# Altium PCB master.PcbDoc (part 3 of 5)
Units mm, origin at the board's own origin, x right, y up, seen from the top; angles counter-clockwise.
Board outline 160 x 120 mm, 4 copper layers (Top Copper, Signal Layer 1, Signal Layer 2, Bot Copper), stack 1.56 mm thick; 330 components, 331 nets, 1402 pads, 711 vias.
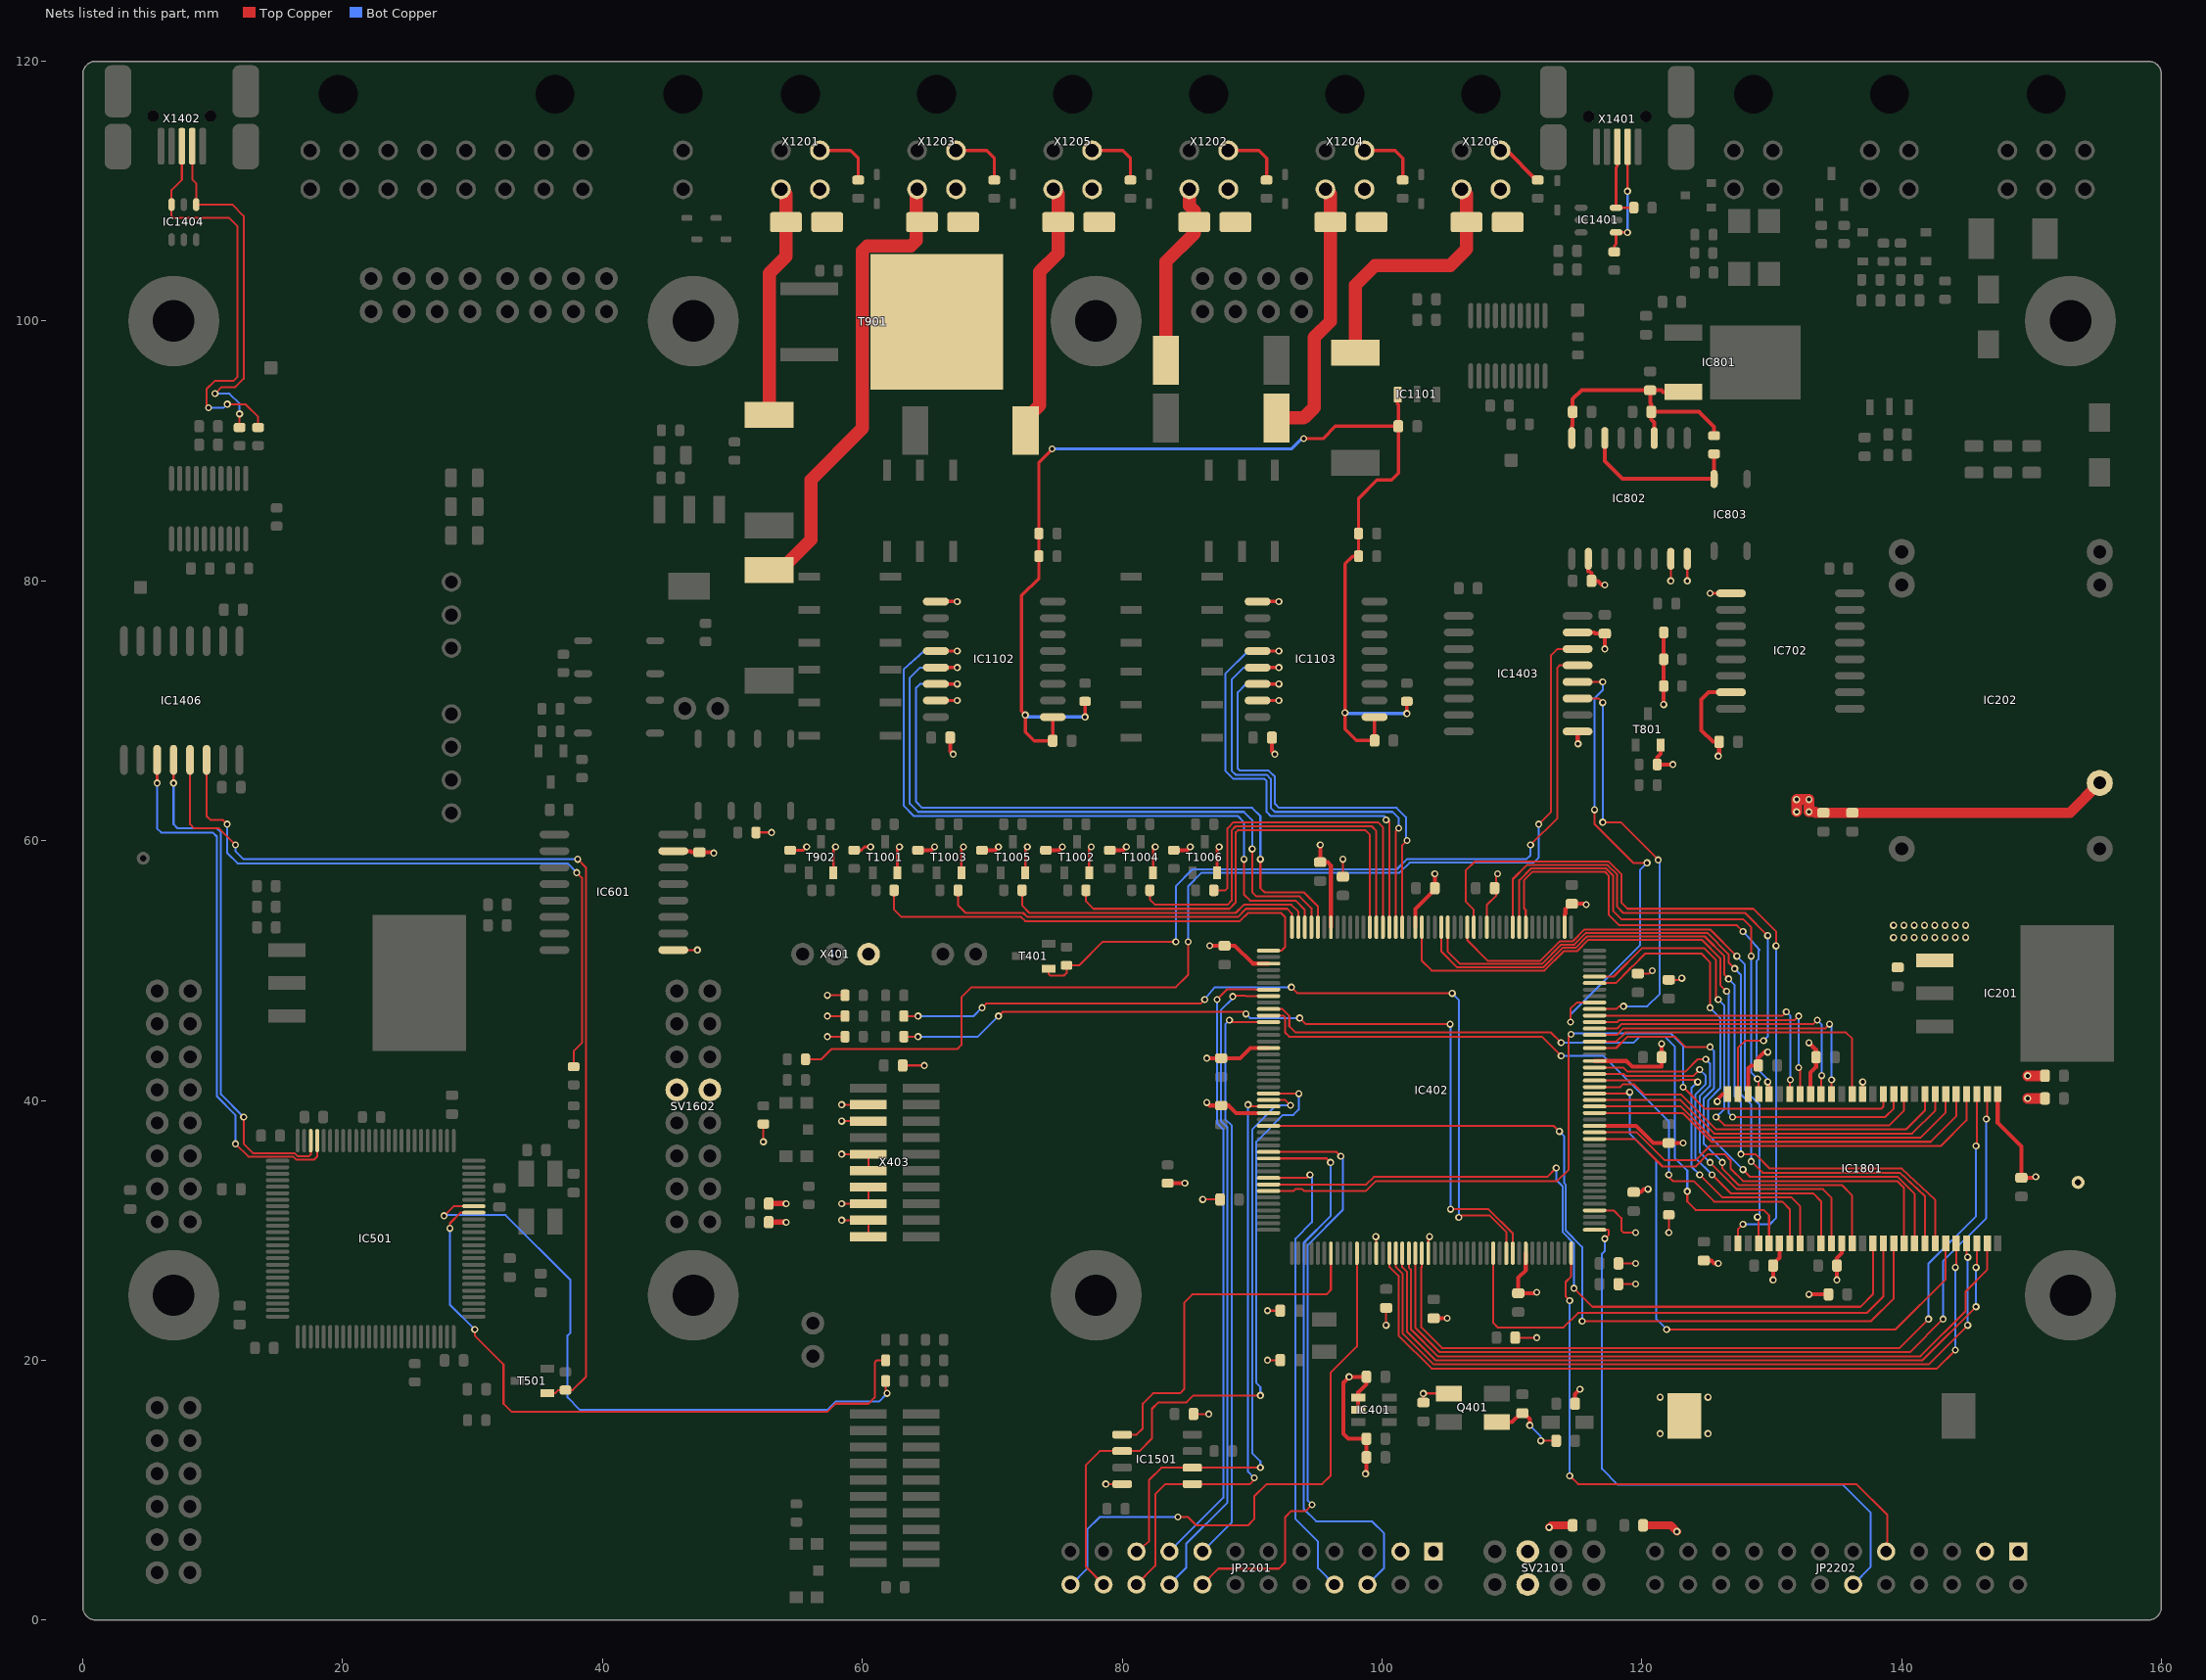
[diagram p5: the nets of this part, all layers, seen from the top]

## Via types
v1: diameter 0.55, hole 0.3, Top Copper to Bot Copper, tented both sides, 708 vias
v2: diameter 0.65, hole 0.4, Top Copper to Bot Copper, tented both sides, 3 vias

## Nets (pads, with @x,y where several pads share a name; then routed paths per layer and width w, separated by ;. In a path a pad name is that pad's centre, name@x,y a point inside that pad or via, vN(x,y) a via of type N, cw(c..) or ccw(c..) an arc to the next point about the centre after c; other vN are vias at no path point) (continued)
CAN_1_TRANS_STANDBY_CONTROL: IC402.165 JP2201.6 | length 44.1
  Top Copper w0.152: IC402.165@91.072,35.534 95.737,35.534 v1(96.044,35.228)
  Bot Copper w0.152: v1(96.044,35.228) 96.044,31.1 93.98,29.036 93.98,8.558 94.932,7.605 99.219,7.605 100.171,6.653 100.171,4.011 JP2201.6@98.89,2.73
CAN_1_TX: IC402.168 JP2201.8 | length 36.9
  Top Copper w0.152: IC402.168@91.072,34.034 94.215,34.034 v1(94.456,34.275)
  Bot Copper w0.152: v1(94.456,34.275) 94.615,34.116 94.615,30.624 93.345,29.354 93.345,7.764 95.091,6.018 95.091,3.989 JP2201.8@96.35,2.73
CAN_TRANS_0_EXT_SUPPLY: C803.2 C805.2 C806.2 IC801.3 IC802.11 IC802.16 R803.1 | length 21.7
  Top Copper w0.305: IC802.16@114.617,90.995 114.617,91.947 114.686,92.015 C806.2@114.686,93.013 114.686,93.985 115.37,94.669 C803.2@120.65,94.669 ; IC802.11@120.968,90.995 120.968,92.208 120.74,92.436 C805.2@120.74,93.013 ; IC801.3@123.2,94.543 121.648,94.543 121.522,94.669 C803.2@120.65,94.669 ; R803.1@125.571,91.173 125.571,91.853 124.411,93.013 C805.2@120.74,93.013 ; C803.2@120.65,94.669 120.65,93.679 120.74,93.589 C805.2@120.74,93.013
CAN_TRANS_0_STANDBY: IC802.14 IC803.4 R803.2 | length 12.7
  Top Copper w0.305: IC802.14@117.157,90.995 117.157,89.218 118.525,87.85 IC803.4@125.571,87.85 R803.2@125.571,89.773
CONTACTOR_0_COIL_POS: D1001.1 F1001.2 X1201.3 | length 18.1
  Top Copper w1.016: F1001.2@52.832,92.769 52.832,103.681 54.121,104.97 D1001.1@54.121,107.618 54.121,109.77 X1201.3@53.746,110.145
CONTACTOR_0_CONTROL: IC402.133 R1001.2 | length 36.1
  Top Copper w0.152: R1001.2@62.454,56.183 62.454,54.689 63.024,54.119 72.231,54.119 72.549,53.801 89.059,53.801 89.694,54.436 92.234,54.436 92.551,54.119 92.551,51.811 92.274,51.534 IC402.133@91.272,51.534
CONTACTOR_0_FEEDBACK: IC402.128 IC1102.14 | length 52.8
  Top Copper w0.152: v1(90.646,58.564) 90.646,56.341 90.964,56.024 93.98,56.024 95.072,54.931 IC402.128@95.072,53.334
  Top Copper w0.254: IC1102.14@65.64,72.058 IC1102.14@65.668,72.058 v1(67.31,72.058)
  Bot Copper w0.152: v1(67.31,72.058) 64.453,72.058 64.135,71.74 64.135,63.009 64.611,62.533 90.011,62.533 90.646,61.898 v1(90.646,58.564)
CONTACTOR_0_FEEDBACK_EXT: R1101.1 X1201.2 | length 4.9
  Top Copper w0.152: X1201.2@56.745,113.06 56.832,113.06 X1201.2@56.832,113.14
  Top Copper w0.254: X1201.2@56.745,113.14 56.832,113.14 59.089,113.14 59.69,112.539 R1101.1@59.69,111.007
CONTACTOR_1_COIL_POS: D1003.1 F1003.2 X1203.3 | length 36.6
  Top Copper w0.152: X1203.3@64.149,109.999 64.149,109.96 X1203.3@64.222,109.96
  Top Copper w1.016: F1003.2@52.832,80.831 53.707,80.831 56.039,83.163 56.039,87.774 60.008,91.743 60.008,105.414 60.377,105.784 63.73,105.784 64.149,106.202 X1203.3@64.149,109.96 ; X1203.3@64.149,109.999 64.149,110.066 X1203.3@64.222,110.14
CONTACTOR_1_CONTROL: IC402.132 R1007.2 | length 28.5
  Top Copper w0.152: R1007.2@67.375,56.183 67.375,55.006 67.945,54.436 72.39,54.436 72.707,54.119 88.9,54.119 89.535,54.754 92.71,54.754 93.072,54.391 IC402.132@93.072,53.534
CONTACTOR_1_FEEDBACK: IC402.129 IC1102.13 | length 54.1
  Top Copper w0.152: v1(90.011,59.358) 90.011,56.024 90.329,55.706 93.662,55.706 94.573,54.796 IC402.129@94.573,53.534
  Top Copper w0.254: IC1102.13@65.64,73.328 IC1102.13@65.668,73.328 v1(67.31,73.328)
  Bot Copper w0.152: v1(67.31,73.328) 64.453,73.328 63.659,72.534 63.659,62.85 64.294,62.215 89.376,62.215 90.011,61.58 v1(90.011,59.358)
CONTACTOR_1_FEEDBACK_EXT: R1102.1 X1203.2 | length 4.8
  Top Copper w0.152: X1203.2@67.223,113.06 X1203.2@67.223,113.14
  Top Copper w0.254: X1203.2@67.223,113.14 69.566,113.14 70.168,112.539 R1102.1@70.168,111.007
CONTACTOR_2_COIL_POS: D1005.1 F1005.2 X1205.3 | length 19.8
  Top Copper w1.016: F1005.2@72.576,91.567 72.576,92.442 73.648,93.514 73.648,103.795 75.076,105.224 D1005.1@75.076,107.618 75.076,109.77 X1205.3@74.701,110.145
CONTACTOR_2_CONTROL: IC402.131 R1013.2 | length 24.2
  Top Copper w0.152: R1013.2@72.296,56.183 72.296,55.006 72.866,54.436 88.741,54.436 89.376,55.071 93.027,55.071 93.573,54.526 IC402.131@93.573,53.534
CONTACTOR_2_FEEDBACK: IC402.130 IC1102.12 | length 55.4
  Top Copper w0.152: v1(89.376,58.564) 89.376,55.865 89.852,55.389 93.345,55.389 94.072,54.661 IC402.130@94.072,53.534
  Top Copper w0.254: IC1102.12@65.64,74.598 IC1102.12@65.668,74.598 v1(67.31,74.598)
  Bot Copper w0.152: v1(67.31,74.598) 64.77,74.598 63.182,73.169 63.182,62.691 63.976,61.898 88.9,61.898 89.376,61.421 v1(89.376,58.564)
CONTACTOR_2_FEEDBACK_EXT: R1103.1 X1205.2 | length 4.8
  Top Copper w0.152: X1205.2@77.7,113.06 X1205.2@77.7,113.14
  Top Copper w0.254: X1205.2@77.7,113.14 80.044,113.14 80.645,112.539 R1103.1@80.645,111.007
CONTACTOR_3_COIL_POS: D1002.1 F1002.2 X1202.3 | length 14.2
  Top Copper w1.016: F1002.2@83.38,96.981 83.38,104.567 85.554,106.741 D1002.1@85.554,107.618 85.554,108.494 85.179,108.869 X1202.3@85.179,110.145
CONTACTOR_3_CONTROL: IC402.120 R1002.2 | length 35.9
  Top Copper w0.152: R1002.2@77.217,56.183 77.217,55.324 77.787,54.754 88.265,54.754 88.741,55.23 88.741,60.628 88.9,60.786 98.742,60.786 99.072,60.456 IC402.120@99.072,53.334
CONTACTOR_3_FEEDBACK: IC402.115 IC1103.14 | length 35.5
  Top Copper w0.152: IC402.115@101.572,53.334 101.572,59.648 v1(101.929,60.004)
  Top Copper w0.254: IC1103.14@90.405,72.058 IC1103.14@90.433,72.058 v1(92.075,72.058)
  Bot Copper w0.152: v1(92.075,72.058) 89.535,72.058 88.9,71.423 88.9,65.549 89.059,65.39 91.281,65.39 91.757,64.914 91.757,62.85 92.075,62.533 101.124,62.533 101.852,61.804 101.852,59.927 v1(101.929,60.004)
CONTACTOR_3_FEEDBACK_EXT: R1104.2 X1202.2 | length 4.8
  Top Copper w0.152: X1202.2@88.178,113.06 X1202.2@88.178,113.14
  Top Copper w0.254: X1202.2@88.178,113.14 90.521,113.14 91.123,112.539 R1104.2@91.123,111.007
CONTACTOR_4_COIL_POS: D1004.1 F1004.2 X1204.3 | length 20.7
  Top Copper w1.016: F1004.2@91.88,92.536 93.98,92.536 94.774,93.33 94.774,98.728 96.031,99.985 D1004.1@96.031,107.618 96.031,109.77 X1204.3@95.656,110.145
CONTACTOR_4_CONTROL: IC402.119 R1008.2 | length 31.5
  Top Copper w0.152: R1008.2@82.139,56.183 82.139,55.483 82.55,55.071 88.106,55.071 88.424,55.389 88.424,60.786 88.741,61.104 99.219,61.104 99.573,60.75 IC402.119@99.573,53.334
CONTACTOR_4_FEEDBACK: IC402.116 IC1103.13 | length 36.7
  Top Copper w0.152: IC402.116@101.072,53.534 101.072,60.735 v1(101.297,60.96)
  Top Copper w0.254: IC1103.13@90.405,73.328 IC1103.13@90.433,73.328 v1(92.075,73.328)
  Bot Copper w0.152: v1(92.075,73.328) 89.376,73.328 88.424,72.375 88.424,65.39 88.741,65.073 91.123,65.073 91.44,64.755 91.44,62.533 91.757,62.215 100.806,62.215 101.297,61.724 v1(101.297,60.96)
CONTACTOR_4_FEEDBACK_EXT: R1105.2 X1204.2 | length 4.9
  Top Copper w0.152: X1204.2@98.655,113.06 98.742,113.06 X1204.2@98.742,113.14
  Top Copper w0.254: X1204.2@98.655,113.14 98.742,113.14 100.999,113.14 101.6,112.539 R1105.2@101.6,111.007
CONTACTOR_5_COIL_POS: D1006.1 F1006.2 X1206.3 | length 20.5
  Top Copper w0.254: F1006.2@97.155,97.458 97.826,97.458 F1006.2@97.949,97.58
  Top Copper w1.016: F1006.2@97.949,97.58 97.949,102.775 99.458,104.284 105.251,104.284 106.509,105.541 D1006.1@106.509,107.618 106.509,109.77 X1206.3@106.134,110.145
CONTACTOR_5_CONTROL: IC402.118 R1014.2 | length 25.6
  Top Copper w0.152: R1014.2@87.21,56.183 87.947,56.183 88.106,56.341 88.106,60.945 88.582,61.421 99.695,61.421 100.072,61.044 IC402.118@100.072,53.334
CONTACTOR_5_FEEDBACK: IC402.117 IC1103.12 | length 37.7
  Top Copper w0.152: v1(100.33,61.595) 100.474,61.595 100.573,61.496 IC402.117@100.573,53.534
  Top Copper w0.254: IC1103.12@90.405,74.598 IC1103.12@90.433,74.598 v1(92.075,74.598)
  Bot Copper w0.152: v1(92.075,74.598) 89.694,74.598 87.947,72.851 87.947,65.39 88.582,64.755 90.964,64.755 91.123,64.596 91.123,62.215 91.44,61.898 100.171,61.898 100.33,61.739 v1(100.33,61.595)
CONTACTOR_5_FEEDBACK_EXT: R1106.2 X1206.2 | length 3.8
  Top Copper w0.305: X1206.2@109.131,113.142 109.614,113.142 111.898,110.858 R1106.2@111.998,110.858
CONTACTOR_6_CONTROL: IC402.139 JP2201.17 | length 48.7
  Top Copper w0.152: v1(87.312,47.769) 88.104,48.56 90.244,48.56 90.271,48.534 IC402.139@91.272,48.534
  Bot Copper w0.152: JP2201.17@83.65,5.27 87.789,9.409 87.789,37.768 87.312,38.244 v1(87.312,47.769)
CONTACTOR_6_FEEDBACK: IC402.140 JP2201.18 | length 50.5
  Top Copper w0.152: v1(88.519,48.006) 88.565,48.052 89.511,48.052 89.529,48.034 IC402.140@91.272,48.034
  Bot Copper w0.152: JP2201.18@83.65,2.73 84.931,4.011 84.931,5.859 88.106,9.034 88.106,37.926 87.63,38.403 87.63,46.975 88.519,47.864 v1(88.519,48.006)
CONTACTOR_7_CONTROL: IC402.144 JP2201.15 | length 45
  Top Copper w0.152: v1(88.265,46.181) 88.413,46.034 IC402.144@91.072,46.034
  Bot Copper w0.152: JP2201.15@86.19,5.27 88.424,7.504 88.424,38.085 87.947,38.561 87.947,45.864 v1(88.265,46.181)
CONTACTOR_7_FEEDBACK: IC402.164 JP2201.16 | length 47.1
  Top Copper w0.152: JP2201.16@86.19,2.73 87.414,3.954 92.075,3.954 92.551,4.43 92.551,7.923 93.027,8.399 94.139,8.399 v1(94.615,8.875) ; IC402.164@91.072,36.034 96.508,36.034 v1(96.837,35.704)
  Bot Copper w0.152: v1(94.615,8.875) 94.297,9.193 94.297,28.878 96.996,31.576 96.996,35.545 v1(96.837,35.704)
CONTACTOR_8_CONTROL: IC402.44 JP2202.9 | length 45.8
  Top Copper w0.152: v1(114.459,11.098) 115.094,10.463 136.525,10.463 138.906,8.081 138.906,5.366 JP2202.9@138.812,5.272 JP2202.9@138.81,5.27 ; v1(114.459,24.591) 114.141,24.909 114.141,26.02 114.573,26.451 IC402.44@114.573,28.034
  Bot Copper w0.152: v1(114.459,11.098) v1(114.459,24.591)
CONTACTOR_8_FEEDBACK: IC402.45 JP2202.12 | length 47.7
  Top Copper w0.152: IC402.45@116.573,30.034 117.43,30.034 117.475,29.989 117.475,29.671 v1(117.157,29.354)
  Bot Copper w0.152: v1(117.157,29.354) 117.157,28.409 116.935,28.187 116.935,11.629 118.165,10.399 135.477,10.399 137.636,8.24 137.636,4.096 JP2202.12@136.272,2.732 JP2202.12@136.27,2.73
CONTACTOR_FEEDBACK_SUPPLY_EXT: C1103.1 C1104.1 C1105.1 IC1101.1 IC1102.1 IC1103.1 R1107.2 R1108.2 R1109.2 R1110.2 R1111.2 R1112.2 | length 98.7
  Top Copper w0.254: v1(74.612,90.155) 73.595,89.138 R1109.2@73.595,83.646 R1111.2@73.595,81.9 73.595,80.199 72.263,78.867 72.263,69.962 v1(72.549,69.676) 72.549,68.37 73.228,67.691 C1104.1@74.662,67.691 74.662,69.111 74.668,69.116 IC1102.1@74.668,69.518 ; R1107.2@77.096,70.573 77.153,70.573 v1(77.153,69.518) ; v1(93.98,90.949) 95.47,90.949 96.422,91.901 C1103.1@101.261,91.901 ; v1(97.155,69.85) 97.155,68.58 98.027,67.708 C1105.1@99.433,67.708 IC1103.1@99.433,69.518 ; v1@97.155,69.977 97.155,81.305 97.75,81.9 R1112.2@98.201,81.9 R1110.2@98.201,83.646 98.201,86.33 99.629,87.757 100.736,87.757 101.261,88.282 C1103.1@101.261,91.901 ; IC1101.1@101.211,94.329 101.211,93.627 101.261,93.577 C1103.1@101.261,91.901 ; v1(101.917,69.787) R1108.2@101.917,70.723
  Bot Copper w0.254: v1(72.549,69.676) 72.707,69.518 v1(77.153,69.518) ; v1(74.612,90.155) 93.027,90.155 93.821,90.949 v1(93.98,90.949) ; v1(97.155,69.85) 97.218,69.787 v1(101.917,69.787)
CONTACTORS_COMMON_NEG: D1001.2 D1002.2 D1003.2 D1004.2 D1005.2 D1006.2 T901.4 X1201.4 X1202.4 X1203.4 X1204.4 X1205.4 X1206.4
DATA_STORAGE_SPI_EEPROM_CS: IC402.7 IC1501.1 | length 28.4
  Top Copper w0.152: IC1501.1@79.969,14.273 IC1501.1@80.009,14.273 81.121,14.273 81.597,14.749 81.597,16.654 82.391,17.448 84.455,17.448 84.772,17.765 84.772,24.433 85.407,25.068 95.726,25.068 96.072,25.414 IC402.7@96.072,28.034
DATA_STORAGE_SPI_Memory_NSS: IC402.11 JP2201.24 | length 44.6
  Top Copper w0.152: v1(84.296,7.923) 85.09,7.923 85.725,7.288 89.694,7.288 90.17,7.764 90.17,9.51 91.123,10.463 95.409,10.463 96.044,11.098 96.044,19.035 98.072,21.064 IC402.11@98.072,28.034
  Bot Copper w0.152: JP2201.24@76.03,2.73 76.087,2.73 77.311,3.954 77.311,6.97 78.264,7.923 v1(84.296,7.923)
DATA_STORAGE_SPI_MISO: IC402.155 IC1501.2 JP2201.22 | length 54.5
  Top Copper w0.152: JP2201.22@78.57,2.729 77.216,4.083 77.216,11.938 78.281,13.003 IC1501.2@80.009,13.003 81.329,13.003 82.296,13.97 82.296,16.256 82.804,16.764 84.963,16.764 85.488,17.289 v1(90.646,17.289) ; IC402.155@91.072,40.534 93.578,40.534 v1(93.599,40.513)
  Bot Copper w0.152: v1(90.646,17.289) 90.646,17.924 90.329,18.241 90.329,36.815 92.392,38.879 93.186,38.879 93.599,39.292 v1(93.599,40.513)
DATA_STORAGE_SPI_MOSI: IC402.157 IC1501.5 JP2201.20 | length 46.1
  Top Copper w0.152: JP2201.20@81.11,2.73 82.55,4.17 82.55,9.669 83.344,10.463 IC1501.5@85.409,10.463 89.852,10.463 90.17,10.78 v1(90.17,10.939) ; v1(89.694,39.673) 89.832,39.534 IC402.157@91.072,39.534
  Bot Copper w0.152: v1(89.694,39.673) 89.694,11.415 v1(90.17,10.939)
DATA_STORAGE_SPI_SCK: IC402.156 IC1501.6 JP2201.19 | length 46.8
  Top Copper w0.152: JP2201.19@81.11,5.27 82.074,6.075 82.074,10.78 83.026,11.733 IC1501.6@85.409,11.733 v1(90.646,11.733) ; IC402.156@91.272,40.034 92.554,40.034 v1(92.964,39.624)
  Bot Copper w0.152: v1(90.646,11.733) 90.646,12.209 90.011,12.844 90.011,37.768 91.868,39.624 v1(92.964,39.624)
DEBUG_LED_0_MCU_0: IC402.35 LED402.2 | length 64.7
  Top Copper w0.152: LED402.2@63.25,44.911 v1(64.294,44.911) ; v1(70.485,46.499) 70.802,46.816 89.376,46.816 v1(89.535,46.658) ; v1(93.662,46.34) 94.139,45.864 v1(105.251,45.864) ; v1(105.283,31.623) 108.204,31.623 110.072,29.755 IC402.35@110.072,28.034
  Bot Copper w0.152: v1(64.294,44.911) 68.897,44.911 v1(70.485,46.499) ; v1(89.535,46.658) 89.852,46.34 v1(93.662,46.34) ; v1(105.251,45.864) 105.283,45.832 v1(105.283,31.623)
DEBUG_LED_0_MCU_1: IC501.18 LED502.2 | length 50.3
  Top Copper w0.152: v1(27.813,31.115) 28.552,31.854 IC501.18@30.293,31.854 ; LED502.2@61.8,18.4 61.8,17.56 v1(61.912,17.448)
  Bot Copper w0.152: v1(27.813,31.115) 27.876,31.178 32.535,31.178 37.543,26.17 37.543,22.129 37.306,21.893 37.306,17.13 38.259,16.178 57.309,16.178 57.944,16.813 61.277,16.813 v1(61.912,17.448)
DEBUG_LED_1_MCU_0: IC402.34 LED401.2 | length 66.9
  Top Copper w0.152: LED401.2@63.25,46.499 v1(64.294,46.499) ; v1(69.215,47.134) 69.532,47.451 86.042,47.451 v1(86.36,47.769) ; v1(93.027,48.721) 93.504,48.245 v1(105.41,48.245) ; v1(105.918,30.988) 106.091,31.161 108.285,31.161 109.573,29.873 IC402.34@109.573,28.034
  Bot Copper w0.152: v1(64.294,46.499) 68.58,46.499 v1(69.215,47.134) ; v1(86.36,47.769) 87.154,48.721 v1(93.027,48.721) ; v1(105.41,48.245) 105.918,47.737 v1(105.918,30.988)
DEBUG_LED_1_MCU_1: IC501.17 LED501.2 | length 50.8
  Top Copper w0.152: v1(28.258,30.148) 28.258,30.543 29.068,31.354 IC501.17@30.293,31.354 ; v1(30.162,22.369) 30.162,21.893 32.385,19.67 32.385,16.654 33.02,16.019 57.309,16.019 57.944,16.654 60.484,16.654 60.96,17.13 60.96,19.829 61.119,19.988 LED501.2@61.75,19.988
  Bot Copper w0.152: v1(28.258,30.148) 28.258,24.274 v1(30.162,22.369)
DM: IC1401.4 R1401.2 X1401.2 | length 9
  Top Copper w0.203: R1401.2@117.885,105.327 117.885,105.778 118.031,105.925 IC1401.4@118.031,106.826 118.901,106.826 v1(118.904,106.824) ; v1(118.904,109.999) 118.92,110.015 X1401.2@118.92,113.423
  Bot Copper w0.203: v1(118.904,106.824) v1(118.904,109.999)
DM1: IC1404.4 R1405.2 X1402.2 | length 27.9
  Top Copper w0.152: X1402.2@8.425,113.464 8.425,110.904 8.729,110.6 IC1404.4@8.729,108.968 11.509,108.968 12.383,108.094 12.383,95.553 11.747,94.918 10.691,94.918 v1(10.185,94.412) ; R1405.2@12.065,91.808 v1(12.065,92.854)
  Bot Copper w0.152: v1(10.185,94.412) 11.286,94.412 12.065,93.633 v1(12.065,92.854)
DP: IC1401.6 R1402.2 X1401.3 | length 6.1
  Top Copper w0.203: X1401.3@118.12,113.423 118.12,111.921 118.031,111.833 IC1401.6@118.031,108.726 118.633,108.726 118.635,108.729 R1402.2@119.395,108.729
DP1: IC1404.6 R1406.2 X1402.3 | length 32.1
  Top Copper w0.152: X1402.3@7.625,113.464 7.625,110.876 6.829,110.08 6.829,108.818 6.829,108.091 6.985,107.935 11.271,107.935 11.906,107.3 11.906,95.711 11.589,95.394 10.16,95.394 9.525,94.759 9.525,93.489 v1(9.684,93.33) ; v1(11.125,93.599) 12.508,93.599 13.494,92.613 R1406.2@13.494,91.808
  Bot Copper w0.152: v1(9.684,93.33) 10.856,93.33 v1(11.125,93.599)
FMC_MCU_0_RAM_A0: IC402.16 IC1801.23 | length 59.2
  Top Copper w0.152: IC402.16@100.573,28.034 100.573,27.206 101.282,26.496 101.282,21.893 103.822,19.353 142.716,19.353 v1(144.145,20.781) ; v1(144.145,27.131) 144.201,27.188 IC1801.23@144.201,29.001
  Bot Copper w0.152: v1(144.145,20.781) v1(144.145,27.131)
FMC_MCU_0_RAM_A1: IC402.17 IC1801.24 | length 58.3
  Top Copper w0.152: IC402.17@101.072,28.034 101.072,27.183 101.6,26.655 101.6,22.051 103.981,19.67 142.081,19.67 v1(145.097,22.686) ; IC1801.24@145.001,29.001 145.001,28.021 v1(145.097,27.925)
  Bot Copper w0.152: v1(145.097,22.686) v1(145.097,27.925)
FMC_MCU_0_RAM_A2: IC402.18 IC1801.25 | length 57.3
  Top Copper w0.152: IC402.18@101.573,28.034 101.573,27.159 101.917,26.814 101.917,22.21 104.14,19.988 141.605,19.988 v1(145.732,24.115) ; v1(145.732,27.131) 145.801,27.2 IC1801.25@145.801,29.001
  Bot Copper w0.152: v1(145.732,24.115) v1(145.732,27.131)
FMC_MCU_0_RAM_A3: IC402.19 IC1801.26 | length 56.6
  Top Copper w0.152: IC402.19@102.072,28.034 102.072,27.135 102.235,26.973 102.235,22.369 104.299,20.305 141.446,20.305 144.939,23.798 144.939,25.305 146.601,26.967 IC1801.26@146.601,29.001
FMC_MCU_0_RAM_A4: IC402.20 IC1801.29 | length 66.7
  Top Copper w0.152: IC402.20@102.573,28.034 102.573,22.507 104.457,20.623 140.653,20.623 v1(143.192,23.163) ; v1(146.526,38.561) 146.601,38.636 IC1801.29@146.601,40.501
  Bot Copper w0.152: v1(143.192,23.163) 143.192,27.608 146.526,30.941 v1(146.526,38.561)
FMC_MCU_0_RAM_A5: IC402.21 IC1801.30 | length 65
  Top Copper w0.152: IC402.21@103.072,28.034 103.072,27.175 103.029,27.131 103.029,22.528 104.616,20.94 139.859,20.94 v1(142.081,23.163) ; v1(145.732,36.498) 145.801,36.566 IC1801.30@145.801,40.501
  Bot Copper w0.152: v1(142.081,23.163) 142.081,27.449 145.732,31.1 v1(145.732,36.498)
FMC_MCU_0_RAM_A6: IC402.60 IC1801.31 | length 32.6
  Top Copper w0.152: IC402.60@116.573,37.534 119.614,37.534 121.761,35.386 124.142,35.386 125.254,36.498 143.034,36.498 145.001,38.465 IC1801.31@145.001,40.501
FMC_MCU_0_RAM_A7: IC402.63 IC1801.32 | length 30.9
  Top Copper w0.152: IC402.63@116.573,39.034 123.152,39.034 125.371,36.815 142.24,36.815 144.201,38.776 IC1801.32@144.201,40.314
FMC_MCU_0_RAM_A8: IC402.64 IC1801.33 | length 29.9
  Top Copper w0.152: IC402.64@116.573,39.534 123.011,39.534 125.412,37.133 141.446,37.133 143.401,39.088 IC1801.33@143.401,40.314
FMC_MCU_0_RAM_A9: IC402.65 IC1801.34 | length 28.9
  Top Copper w0.152: IC402.65@116.573,40.034 122.988,40.034 125.571,37.45 140.811,37.45 142.601,39.24 IC1801.34@142.601,40.314
FMC_MCU_0_RAM_A10: IC402.66 IC1801.22 | length 48
  Top Copper w0.152: IC402.66@116.573,40.534 118.971,40.534 v1(119.062,40.625) ; v1(121.92,22.369) 139.541,22.369 143.401,26.229 IC1801.22@143.401,29.189
  Bot Copper w0.152: v1(119.062,40.625) 119.062,37.45 121.126,35.386 121.126,23.163 v1(121.92,22.369)
FMC_MCU_0_RAM_A11: IC402.67 IC1801.35 | length 28.5
  Top Copper w0.152: IC402.67@116.573,41.034 118.36,41.034 118.586,41.26 119.38,41.26 120.174,40.466 123.031,40.466 125.73,37.768 140.335,37.768 141.801,39.234 IC1801.35@141.801,40.314
FMC_MCU_0_RAM_BA0: IC402.108 IC1801.20 | length 60.3
  Top Copper w0.152: IC402.108@105.072,53.534 105.072,51.44 106.013,50.499 112.302,50.499 113.804,52.002 114.813,52.002 115.715,52.903 125.041,52.903 126.682,51.261 126.682,50.626 v1(127.159,50.15) ; v1(128.429,35.307) 129.302,34.434 139.859,34.434 141.801,32.65 IC1801.20@141.801,29.189
  Bot Copper w0.152: v1(127.159,50.15) 127.635,49.674 127.635,40.466 128.429,39.673 v1(128.429,35.307)
FMC_MCU_0_RAM_BA1: IC402.109 IC1801.21 | length 61.3
  Top Copper w0.152: IC402.109@104.573,53.534 104.573,51.464 105.791,50.245 112.407,50.245 113.91,51.748 114.919,51.748 115.795,52.624 124.843,52.624 126.365,51.103 126.365,49.674 v1(126.682,49.356) ; v1(127.635,35.863) 128.746,35.863 129.857,34.751 140.017,34.751 142.601,32.326 IC1801.21@142.601,29.189
  Bot Copper w0.152: v1(126.682,49.356) 127.159,48.88 127.159,40.308 127.635,39.831 v1(127.635,35.863)
FMC_MCU_0_RAM_D0: IC402.104 IC1801.2 | length 58.3
  Top Copper w0.152: IC402.104@107.072,53.534 107.072,54.679 106.443,55.308 106.443,57.682 107.134,58.373 117.473,58.373 118.427,57.419 118.427,55.23 118.904,54.754 128.588,54.754 130.334,53.008 v1(130.334,51.896) ; IC1801.2@127.401,29.189 127.401,30.073 v1(127.794,30.465)
  Bot Copper w0.152: v1(127.794,30.465) 129.857,30.465 130.334,30.941 v1(130.334,51.896)
FMC_MCU_0_RAM_D1: IC402.105 IC1801.4 | length 47.2
  Top Copper w0.152: IC402.105@106.573,53.534 106.573,52.321 108.14,50.753 112.196,50.753 113.699,52.256 114.708,52.256 115.609,53.157 125.263,53.157 v1(127.317,51.103) ; v1(128.905,31.021) 129.001,30.845 IC1801.4@129.001,29.189
  Bot Copper w0.152: v1(127.317,51.103) 127.953,50.468 127.953,40.784 129.064,39.673 129.064,31.179 v1(128.905,31.021)
FMC_MCU_0_RAM_D2: IC402.142 IC1801.5 | length 54.5
  Top Copper w0.152: IC402.142@91.072,47.034 92.334,47.034 92.869,46.499 92.869,45.705 93.345,45.229 113.013,45.229 v1(113.792,44.45) ; v1(123.507,33.005) 123.507,32.211 124.142,31.576 129.381,31.576 129.801,31.156 IC1801.5@129.801,29.189
  Bot Copper w0.152: v1(113.792,44.45) 119.394,44.45 119.854,44.91 121.763,44.91 122.555,44.118 122.555,35.545 123.507,34.593 v1(123.507,33.005)
FMC_MCU_0_RAM_D3: IC402.143 IC1801.7 | length 52.1
  Top Copper w0.152: IC402.143@91.072,46.534 92.404,46.534 92.551,46.387 92.551,45.229 92.869,44.911 112.315,44.911 v1(113.792,43.434) ; v1(122.079,34.275) 122.079,34.116 122.396,33.799 123.984,33.799 125.571,32.211 130.81,32.211 131.401,31.62 IC1801.7@131.401,29.189
  Bot Copper w0.152: v1(113.792,43.434) 117.038,43.434 122.079,38.393 v1(122.079,34.275)
FMC_MCU_0_RAM_D4: IC402.68 IC1801.8 | length 27
  Top Copper w0.152: IC402.68@116.373,41.534 122.918,41.534 122.96,41.576 124.144,41.576 v1(124.301,41.419) ; v1(124.46,34.275) 126.206,32.529 131.529,32.529 132.201,31.856 IC1801.8@132.201,29.189
  Bot Copper w0.152: v1(124.301,41.419) 123.825,40.943 123.825,34.91 v1(124.46,34.275)
FMC_MCU_0_RAM_D5: IC402.69 IC1801.10 | length 29.6
  Top Copper w0.152: IC402.69@116.573,42.034 118.606,42.034 118.745,41.895 123.984,41.895 v1(124.46,42.371) ; v1(125.412,34.275) 126.841,32.846 133.191,32.846 133.801,32.236 IC1801.10@133.801,29.189
  Bot Copper w0.152: v1(124.46,42.371) 124.936,41.895 124.936,41.26 124.142,40.466 124.142,35.545 v1(125.412,34.275)
FMC_MCU_0_RAM_D6: IC402.70 IC1801.11 | length 31.4
  Top Copper w0.152: IC402.70@116.573,42.534 118.582,42.534 118.904,42.213 123.349,42.213 124.301,43.165 v1(124.936,43.165) ; v1(125.254,35.228) 127.317,33.164 133.947,33.164 134.601,32.51 IC1801.11@134.601,29.189
  Bot Copper w0.152: v1(124.936,43.165) 125.254,42.848 125.254,41.101 124.46,40.308 124.46,36.021 v1(125.254,35.228)
FMC_MCU_0_RAM_D7: IC402.73 IC1801.13 | length 34.1
  Top Copper w0.152: IC402.73@116.573,44.034 118.026,44.034 118.904,44.911 122.555,44.911 123.349,44.118 v1(125.254,44.118) ; v1(126.206,35.228) 126.206,34.751 127.476,33.481 135.401,33.481 136.201,32.681 IC1801.13@136.201,29.189
  Bot Copper w0.152: v1(125.254,44.118) 125.571,43.8 125.571,40.943 124.777,40.149 124.777,36.656 v1(126.206,35.228)
FMC_MCU_0_RAM_D8: IC402.74 IC1801.42 | length 24.6
  Top Copper w0.152: IC402.74@116.573,44.534 118.05,44.534 118.745,45.229 135.731,45.229 136.201,44.759 IC1801.42@136.201,40.314
FMC_MCU_0_RAM_D9: IC402.75 IC1801.44 | length 23.9
  Top Copper w0.152: IC402.75@116.573,45.034 118.074,45.034 118.586,45.546 134.144,45.546 v1(134.461,45.864) ; IC1801.44@134.601,40.314 134.601,41.559 v1(134.62,41.578) v1@134.601,41.596
  Bot Copper w0.152: v1(134.461,45.864) 134.62,45.705 v1(134.62,41.578)
FMC_MCU_0_RAM_D10: IC402.76 IC1801.45 | length 23.2
  Top Copper w0.152: IC402.76@116.573,45.534 118.098,45.534 118.427,45.864 133.191,45.864 v1(133.509,46.181) ; IC1801.45@133.801,40.314 133.801,41.853 v1(133.858,41.91)
  Bot Copper w0.152: v1(133.509,46.181) 133.858,45.832 v1(133.858,41.91)
FMC_MCU_0_RAM_D11: IC402.77 IC1801.47 | length 21.9
  Top Copper w0.152: IC402.77@116.573,46.034 118.121,46.034 118.269,46.181 131.762,46.181 v1(132.08,46.499) ; v1(132.08,42.53) 132.201,42.409 IC1801.47@132.201,40.314
  Bot Copper w0.152: v1(132.08,42.53) v1(132.08,46.499)
FMC_MCU_0_RAM_D12: IC402.78 IC1801.48 | length 21.5
  Top Copper w0.152: IC402.78@116.373,46.534 130.845,46.534 v1(131.127,46.816) ; IC1801.48@131.401,40.314 131.401,41.462 v1(131.445,41.578)
  Bot Copper w0.152: v1(131.127,46.816) 131.445,46.499 v1(131.445,41.578)
FMC_MCU_0_RAM_D13: IC402.96 IC1801.50 | length 38
  Top Copper w0.152: IC402.96@111.072,53.534 111.072,54.661 110.922,54.811 110.922,56.932 111.601,57.611 117.157,57.611 117.475,57.294 117.475,54.278 118.269,53.484 127.317,53.484 v1(127.794,53.008) ; v1(129.699,41.419) 129.801,41.316 IC1801.50@129.801,40.314
  Bot Copper w0.152: v1(127.794,53.008) 129.064,51.579 128.983,51.498 128.983,50.873 128.827,50.717 128.827,42.518 129.699,41.646 v1(129.699,41.419)
FMC_MCU_0_RAM_D14: IC402.97 IC1801.51 | length 38.4
  Top Copper w0.152: IC402.97@110.572,53.334 110.572,56.942 111.496,57.865 117.263,57.865 117.792,57.335 117.792,54.595 118.427,53.96 127.794,53.96 128.429,53.325 v1(128.429,51.103) ; v1(128.905,41.656) 129.001,41.56 IC1801.51@129.001,40.501
  Bot Copper w0.152: v1(128.429,51.103) 128.429,42.132 v1(128.905,41.656)
FMC_MCU_0_RAM_D15: IC402.98 IC1801.53 | length 41.4
  Top Copper w0.152: IC402.98@110.072,53.534 110.072,57.035 111.157,58.119 117.368,58.119 118.11,57.377 118.11,54.913 118.586,54.436 127.953,54.436 v1(129.699,52.69) ; IC1801.53@127.401,40.314 127.401,44.043 127.953,44.594 v1(129.381,44.594)
  Bot Copper w0.152: v1(129.381,44.594) 129.699,44.911 v1(129.699,52.69)
FMC_MCU_0_RAM_NBL0: IC402.169 IC1801.15 | length 60.6
  Top Copper w0.152: IC402.169@91.072,33.534 98.795,33.534 99.377,34.116 112.729,34.116 v1(113.411,34.798) ; v1(114.776,25.544) 116.205,24.115 136.843,24.115 137.801,25.074 IC1801.15@137.801,29.001
  Bot Copper w0.152: v1(113.411,34.798) 113.411,33.894 113.902,33.403 113.902,29.869 114.776,28.995 v1(114.776,25.544)
FMC_MCU_0_RAM_NBL1: IC402.170 IC1801.39 | length 64
  Top Copper w0.152: IC402.170@91.072,33.034 93.221,33.034 93.38,33.193 93.84,33.193 93.999,33.034 98.771,33.034 99.536,33.799 113.497,33.799 114.381,34.683 114.381,44.912 v1(114.554,45.085) ; v1(123.19,41.022) 124.857,39.355 138.43,39.355 138.601,39.526 IC1801.39@138.601,40.501
  Bot Copper w0.152: v1(114.554,45.085) 114.633,45.164 122.222,45.164 123.19,44.196 v1(123.19,41.022)
FMC_MCU_0_RAM_SDCKE1: IC402.84 IC1801.37 | length 39.5
  Top Copper w0.152: IC402.84@116.573,49.534 117.838,49.534 120.042,51.738 124.777,51.738 125.73,50.785 125.73,47.928 v1(125.889,47.769) ; v1(125.73,38.72) 126.365,38.085 139.065,38.085 140.201,39.221 IC1801.37@140.201,40.501
  Bot Copper w0.152: v1(125.73,38.72) 126.365,39.355 126.365,47.293 v1(125.889,47.769)
FMC_MCU_0_RAM_SDCLK: IC402.112 IC1801.38 | length 53.9
  Top Copper w0.152: IC402.112@103.072,53.534 103.072,50.741 103.822,49.991 112.512,49.991 114.015,51.494 115.024,51.494 115.9,52.37 124.621,52.37 126.047,50.944 126.047,48.88 v1(126.524,48.404) ; v1(127,38.72) 138.748,38.72 139.401,39.374 IC1801.38@139.401,40.314
  Bot Copper w0.152: v1(126.524,48.404) 126.682,48.245 126.682,39.038 v1(127,38.72)
FMC_MCU_0_RAM_SDNCAS: IC402.160 IC1801.17 | length 67.2
  Top Copper w0.152: IC402.160@91.072,38.034 113.24,38.034 v1(113.665,37.609) ; v1(115.411,23.004) 137.636,23.004 139.401,24.769 IC1801.17@139.401,29.189
  Bot Copper w0.152: v1(113.665,37.609) 114.046,37.228 114.046,33.618 114.156,33.508 114.156,29.974 115.411,28.719 v1(115.411,23.004)
FMC_MCU_0_RAM_SDNE1: IC402.83 IC1801.19 | length 45.5
  Top Copper w0.152: IC402.83@116.373,49.034 117.995,49.034 119.045,50.084 119.045,50.103 119.259,50.317 119.278,50.317 120.269,51.308 124.587,51.308 125.254,50.641 v1(125.254,47.134) ; v1(127.794,34.672) 128.35,34.116 139.7,34.116 141.001,32.815 IC1801.19@141.001,29.189
  Bot Copper w0.152: v1(125.254,47.134) 126.047,46.34 126.047,40.943 125.095,39.99 125.095,37.371 v1(127.794,34.672)
FMC_MCU_0_RAM_SDNRAS: IC402.59 IC1801.18 | length 30.6
  Top Copper w0.152: IC402.59@116.573,37.034 119.479,37.034 121.602,34.91 124.142,34.91 125.095,35.863 126.365,35.863 126.841,35.386 126.841,34.751 127.794,33.799 139.658,33.799 140.201,33.256 IC1801.18@140.201,29.001
FMC_MCU_0_RAM_SDNWE: IC402.32 IC1801.16 | length 40.4
  Top Copper w0.152: IC402.32@108.573,28.034 108.573,22.857 108.902,22.528 113.983,22.528 115.094,23.639 137.319,23.639 138.601,24.921 IC1801.16@138.601,29.001
FTDI_MCU_0_DTR: IC1403.13 R402.1 T401.1 | length 61.1
  Top Copper w0.152: T401.1@74.334,50.153 74.334,49.751 74.474,49.61 75.518,49.61 75.724,49.816 R402.1@75.724,50.403 76.692,50.403 78.503,52.214 v1(84.138,52.214) ; v1(111.442,59.675) 113.506,61.739 113.506,73.328 113.665,73.486 IC1403.13@115.018,73.486
  Bot Copper w0.152: v1(84.138,52.214) 84.138,56.5 85.422,57.785 101.139,57.785 101.917,58.564 111.125,58.564 111.442,58.881 v1(111.442,59.675)
FTDI_MCU_0_RTS: IC1403.14 R403.2 | length 87
  Top Copper w0.152: R403.2@55.777,43.165 56.832,43.165 57.626,43.959 67.31,43.959 67.627,44.276 67.627,47.928 68.421,48.721 84.138,48.721 85.09,49.674 v1(85.09,52.214) ; v1(112.078,61.263) 113.03,62.215 113.03,74.28 113.506,74.756 IC1403.14@115.018,74.756
  Bot Copper w0.152: v1(85.09,52.214) 85.09,56.5 86.121,57.531 101.361,57.531 102.14,58.31 111.665,58.31 112.078,58.723 v1(112.078,61.263)
FTDI_MCU_0_RX: IC402.80 IC1403.12 | length 36.5
  Top Copper w0.152: v1(114.516,46.03) 114.516,47.056 114.993,47.534 IC402.80@116.573,47.534 ; IC1403.12@115.018,72.216 IC1403.12@115.065,72.216 v1(116.999,72.216) ; v1(116.364,62.374) 116.364,61.272 119.343,58.293 v1(120.414,58.293)
  Bot Copper w0.152: v1(114.516,46.03) 114.516,46.592 119.888,51.965 119.888,57.767 v1(120.414,58.293) ; v1(116.364,62.374) 116.364,70.946 116.999,71.581 v1(116.999,72.216)
FTDI_MCU_0_TX: IC402.79 IC1403.11 | length 32.4
  Top Copper w0.152: IC1403.11@115.018,70.946 IC1403.11@115.065,70.946 116.681,70.946 v1(116.999,70.629) ; IC402.79@116.573,47.034 118.051,47.034 118.262,47.244 v1(118.605,47.244) ; v1(116.999,61.421) 118.371,61.421 v1(121.272,58.521)
  Bot Copper w0.152: v1(116.999,61.421) v1(116.999,70.629) ; v1(118.605,47.244) 120.433,47.244 121.363,48.174 121.363,58.429 v1(121.272,58.521)
FTDI_MCU_1_DTR: IC1406.13 R504.1 T501.1 | length 79.9
  Top Copper w0.152: IC1406.13@8.255,66.26 IC1406.13@8.255,66.213 8.255,61.263 8.572,60.945 10.477,60.945 v1(11.747,59.675) ; T501.1@35.758,17.45 36.384,17.45 36.384,17.488 36.596,17.7 R504.1@37.148,17.7 37.699,17.7 38.735,18.736 38.735,57.929 v1(38.1,58.564)
  Bot Copper w0.152: v1(11.747,59.675) 11.747,59.199 12.383,58.564 v1(38.1,58.564)
FTDI_MCU_1_RTS: IC1406.14 R501.2 | length 51.2
  Top Copper w0.152: IC1406.14@9.525,66.26 IC1406.14@9.525,66.213 9.525,61.898 9.842,61.58 10.795,61.58 v1(11.112,61.263) ; R501.2@37.782,42.745 37.782,43.8 38.417,44.435 38.417,57.135 v1(38.021,57.532)
  Bot Copper w0.152: v1(11.112,61.263) 11.112,59.04 11.906,58.246 37.306,58.246 v1(38.021,57.532)
FTDI_MCU_1_RX: IC501.48 IC1406.12 | length 40.5
  Top Copper w0.152: v1(12.383,38.72) 12.383,36.656 13.115,35.923 13.989,35.923 14.002,35.936 16.297,35.936 16.546,35.687 17.399,35.687 17.543,35.831 IC501.48@17.543,37.104
  Top Copper w0.203: v1(6.985,64.438) IC1406.12@6.985,66.213 IC1406.12@6.985,66.26
  Bot Copper w0.152: v1(6.985,64.438) 6.985,61.263 7.302,60.945 10.319,60.945 10.636,60.628 10.636,40.466 v1(12.383,38.72)
FTDI_MCU_1_TX: IC501.47 IC1406.11 | length 42.8
  Top Copper w0.152: v1(11.747,36.656) 12.734,35.669 14.094,35.669 14.107,35.682 16.192,35.682 16.44,35.433 17.78,35.433 18.042,35.695 IC501.47@18.042,37.104
  Top Copper w0.203: v1(5.715,64.438) IC1406.11@5.715,66.213 IC1406.11@5.715,66.26
  Bot Copper w0.152: v1(5.715,64.438) 5.715,60.945 6.032,60.628 10.001,60.628 10.319,60.31 10.319,40.308 11.747,38.879 v1(11.747,36.656)
GND_0: BATT.- C202.2 C205.2 C206.2 C207.2 C208.2 C401.2 C402.1 C403.2 C404.2 C405.2 C406.2 C407.2 C408.2 C409.2 C410.2 C411.2 C412.2 C413.2 C414.2 C415.2 C416.2 C417.2 C418.2 C419.2 C420.2 C421.2 C422.2 C423.2 C424.2 C425.2 C426.2 C427.2 C428.1 C429.2 C430.2 C601.1 C707.2 C807.1 C1106.2 C1107.2 C1405.2 C1501.1 C1601.2 C1602.2 C1801.2 C1802.2 C1803.2 C1804.2 C1805.2 C1806.2 C1807.2 C2101.1 C2102.2 IC201.1 IC202.16 IC401.1 IC401.2 IC402.14 IC402.22 IC402.37 IC402.48 IC402.61 IC402.71 IC402.90 IC402.102 IC402.113 IC402.126 IC402.135 IC402.148 IC402.158 IC601.9 IC601.15 IC702.9 IC702.15 IC802.2 IC802.7 IC802.8 IC1102.9 IC1102.15 IC1103.9 IC1103.15 IC1403.9 IC1403.15 IC1501.4 IC1801.6 IC1801.12 IC1801.28 IC1801.41 IC1801.46 IC1801.52 IC1801.54 JP2201.1 JP2201.3 JP2202.1 JP2202.3 Q401.2 Q401.4 R201.1 R401.1 R406.1 R407.1 R408.1 R409.1 R708.1 R709.1 R710.1 R805.2 R903.1 R908.2 R1003.1 R1004.1 R1009.1 R1010.1 R1015.1 R1016.1 SV1602.9 SV1602.10 SV2101.5 SV2101.6 T801.S T902.S T1001.S T1002.S T1003.S T1004.S T1005.S T1006.S TP_GND_201.1 X401.1 X403.3 X403.5 X403.9 X403.11 X403.13 X403.15 X403.17 X403.19 | length 254.4
  Top Copper w0.152: IC601.9@45.406,51.579 IC601.9@45.453,51.579 v1(47.307,51.579) ; v1(52.387,36.815) R406.1@52.387,38.029 ; v1(57.309,44.911) R409.1@58.523,44.911 ; v1(57.309,46.499) R408.1@58.523,46.499 ; v1(57.309,48.086) R201.1@58.523,48.086 ; v1(58.42,30.783) X403.17@60.465,30.783 X403.19@60.465,29.513 ; v1(58.42,32.053) X403.15@60.465,32.053 X403.13@60.465,33.323 ; v1(58.42,35.863) X403.9@60.465,35.863 X403.11@60.465,34.593 ; v1(58.42,38.403) X403.5@60.465,38.403 ; v1(58.42,39.673) X403.3@60.465,39.673 ; v1(78.74,10.463) IC1501.4@79.969,10.463 ; C1501.1@85.473,15.86 C1501.1@85.497,15.86 v1(86.677,15.86) ; v1(86.201,32.37) C407.2@87.415,32.37 ; v1(91.185,20.004) C429.2@92.179,20.004 ; v1(91.185,23.814) C428.1@92.179,23.814 ; C426.2@96.996,57.35 v1(96.996,58.564) ; v1(99.536,29.513) 99.573,29.476 IC402.14@99.573,28.034 ; v1(100.33,22.686) C409.2@100.33,23.9 ; IC402.22@103.573,28.034 103.573,29.421 v1(103.664,29.513) ; IC402.102@108.072,53.534 108.072,55.035 108.8,55.762 108.8,57.191 v1(108.902,57.453) ; C425.2@110.387,21.734 v1(111.919,21.734) ; v1(112.236,13.796) C404.2@113.291,13.796 ; IC402.48@116.573,31.534 117.835,31.534 118.427,30.941 118.427,29.989 118.586,29.83 v1(119.539,29.83) ; C423.2@118.325,25.861 v1(119.539,25.861) ; C424.2@118.325,27.449 v1(119.539,27.449) ; C406.2@119.697,49.764 120.581,49.764 v1(120.809,49.991) ; v1(122.079,29.83) R407.1@122.079,31.044 ; C427.2@122.079,49.288 122.962,49.288 v1(123.087,49.412) ; v1(122.237,79.995) IC802.7@122.237,81.595 ; v1(123.507,79.995) IC802.8@123.507,81.595 ; IC1801.41@137.001,40.314 IC1801.41@137.001,40.501 v1(137.001,41.419)
  Top Copper w0.203: R903.1@51.967,60.628 v1(53.023,60.628) ; R908.2@54.451,59.264 55.469,59.264 v1(55.721,59.516) ; T902.S@57.782,57.838 57.782,59.355 v1(57.944,59.516) ; R1003.1@59.372,59.264 59.924,59.264 60.177,59.516 v1(60.642,59.516) ; T1001.S@62.704,57.838 62.704,59.355 v1(62.865,59.516) ; C430.2@63.239,42.689 v1(64.77,42.689) ; T1003.S@67.625,57.838 67.625,59.355 v1(67.786,59.516) ; T1005.S@72.546,57.838 72.546,59.355 v1(72.707,59.516) ; T1002.S@77.467,57.838 77.467,59.355 v1(77.629,59.516) ; T1004.S@82.389,57.838 82.389,59.355 v1(82.55,59.516) ; T1006.S@87.31,57.838 87.31,59.355 v1(87.471,59.516) ; C402.1@103.188,16.744 v1(103.188,17.436) Q401.4@105.148,17.436 ; v1(125.254,79.043) IC702.9@126.87,79.043 IC702.9@126.917,79.043
  Top Copper w0.254: IC1102.15@65.64,70.788 IC1102.15@65.668,70.788 v1(67.31,70.788) ; IC1102.9@65.64,78.408 IC1102.9@65.668,78.408 v1(67.31,78.408) ; IC1103.15@90.405,70.788 IC1103.15@90.433,70.788 v1(92.075,70.788) ; IC1103.9@90.405,78.408 IC1103.9@90.433,78.408 v1(92.075,78.408)
  Top Copper w0.305: IC601.15@45.453,59.199 46.8,59.199 46.89,59.109 C601.1@47.466,59.109 48.509,59.109 v1(48.578,59.04) ; R1009.1@64.294,59.264 65.311,59.264 v1(65.564,59.516) ; C1106.2@66.765,67.93 66.765,66.888 v1(66.992,66.66) ; R1015.1@69.215,59.264 70.233,59.264 v1(70.485,59.516) ; R1004.1@74.136,59.264 75.154,59.264 v1(75.406,59.516) ; R1010.1@79.057,59.264 80.075,59.264 v1(80.328,59.516) ; R401.1@83.502,33.634 v1(84.836,33.634) ; R1016.1@83.979,59.264 84.996,59.264 v1(85.249,59.516) ; v1(86.519,39.831) 86.746,39.604 C421.2@87.63,39.604 88.207,39.604 88.777,39.034 IC402.158@91.272,39.034 ; v1(86.519,43.255) C420.2@87.63,43.255 89.088,43.255 89.867,44.034 IC402.148@91.272,44.034 ; v1(86.741,51.906) C419.2@87.884,51.906 88.683,51.906 90.055,50.534 IC402.135@91.272,50.534 ; C1107.2@91.53,67.93 91.53,66.888 v1(91.757,66.66) ; v1(95.25,59.675) C418.2@95.25,58.336 95.827,58.336 96.073,58.09 IC402.126@96.073,53.334 ; IC401.2@98.177,16.178 IC401.1@98.177,17.128 98.177,17.529 98.199,17.529 98.811,18.141 C422.2@98.811,18.718 v1(97.472,18.718) 97.028,18.273 97.028,14.351 97.424,13.955 C408.2@98.811,13.955 C403.2@98.811,12.526 98.811,11.325 v1(98.742,11.256) ; IC402.113@102.572,53.334 102.572,54.743 104.071,56.241 C417.2@104.071,56.341 v1(104.071,57.453) ; C410.2@103.981,23.231 v1(105.029,23.231) ; Q401.2@108.847,15.236 110.015,15.236 110.708,15.929 C414.2@110.807,15.929 110.907,15.929 111.379,15.457 v1(111.379,14.986) ; IC402.37@111.073,28.234 111.073,26.929 110.49,26.347 C401.2@110.49,25.158 111.85,25.158 v1(111.919,25.226) ; IC402.90@114.072,53.334 114.072,54.335 114.126,54.388 114.126,54.748 114.518,55.14 C415.2@114.617,55.14 115.66,55.14 v1(115.729,55.071) ; C411.2@114.866,16.654 114.866,17.379 v1(115.252,17.765) ; IC1403.9@115.065,68.406 115.065,67.483 v1(115.094,67.454) ; IC1403.15@115.065,76.026 116.317,76.026 116.407,75.936 C1405.2@117.157,75.936 v1(117.157,74.756) ; IC802.2@115.887,81.695 115.887,80.743 115.964,80.743 116.136,80.572 C807.1@116.136,79.995 116.613,79.995 116.93,79.678 v1(117.157,79.678) ; IC402.61@116.373,38.034 119.581,38.034 120.889,36.725 C412.2@122.079,36.725 v1(123.19,36.725) ; IC402.71@116.373,43.034 118.824,43.034 119.264,42.595 121.534,42.595 C413.2@121.534,43.324 v1(121.534,44.356) ; C405.2@119.38,32.936 119.957,32.936 120.184,33.164 v1(120.491,33.164) ; T801.S@121.441,67.365 121.441,66.668 121.191,66.418 R805.2@121.191,65.866 v1(122.396,65.866) ; v1(121.696,70.47) R708.1@121.696,71.899 R709.1@121.696,73.963 R710.1@121.696,76.026 ; C1805.2@124.777,27.676 125.354,27.676 125.582,27.449 v1(125.889,27.449) ; v1(125.81,39.911) 125.81,40.086 126.225,40.501 IC1801.54@126.601,40.501 ; v1(125.889,66.501) 125.958,66.57 C707.2@125.958,67.613 125.481,67.613 124.587,68.506 124.587,70.866 125.144,71.423 IC702.15@126.87,71.423 ; IC1801.52@128.201,40.501 128.201,42.476 128.414,42.689 C1807.2@128.974,42.689 128.974,43.265 129.429,43.721 v1(129.699,43.721) ; v1(130.106,26.179) C1801.2@130.106,27.29 130.106,27.39 130.601,27.885 IC1801.6@130.601,29.001 ; v1(132.874,25.068) C1803.2@134.371,25.068 ; v1(132.874,44.435) 133.408,43.9 133.419,43.9 C1806.2@133.419,43.324 133.419,42.553 133.001,42.136 IC1801.46@133.001,40.501 ; v1(135.027,26.179) C1802.2@135.027,27.29 135.027,27.867 135.401,28.24 IC1801.12@135.401,29.001 ; IC1801.28@147.401,40.501 147.401,38.273 149.225,36.449 C1804.2@149.225,34.048 150.267,34.048 v1(150.336,34.116)
  Top Copper w0.406: C1602.2@52.92,30.624 v1(54.134,30.624) ; C1601.2@52.92,32.053 v1(54.134,32.053) ; BATT.-@123.196,14.351 123.276,14.431 BATT.-@123.276,15.701
  Top Copper w0.61: v1(112.871,7.129) 113.03,7.288 C2102.2@114.561,7.288 ; C2101.1@120.23,7.288 122.237,7.288 v1(122.714,6.811)
  Top Copper w0.813: v1(131.921,62.215) v1(131.921,63.168) v1(132.874,63.168) v1(132.874,62.215) 133.34,62.215 133.408,62.146 C208.2@133.985,62.146 C207.2@136.207,62.146 152.954,62.146 IC202.16@155.257,64.45 ; v1(149.701,40.149) C205.2@150.915,40.149 ; v1(149.701,41.895) C206.2@150.915,41.895
  Bot Copper w0.152: v1(111.379,14.986) 112.236,14.129 v1(112.236,13.796)
  other v1: 121.412,14.351 125.095,14.351 121.412,17.145 125.095,17.145 139.382,52.531 140.176,52.531 140.97,52.531 141.764,52.531 142.558,52.531 143.351,52.531 144.145,52.531 144.939,52.531 139.382,53.484 140.176,53.484 140.97,53.484 141.764,53.484 142.558,53.484 143.351,53.484 144.145,53.484 144.939,53.484